# Altium PCB 采集主板V1.1_ZM_20210713.PcbDoc (part 1 of 2) (continued)
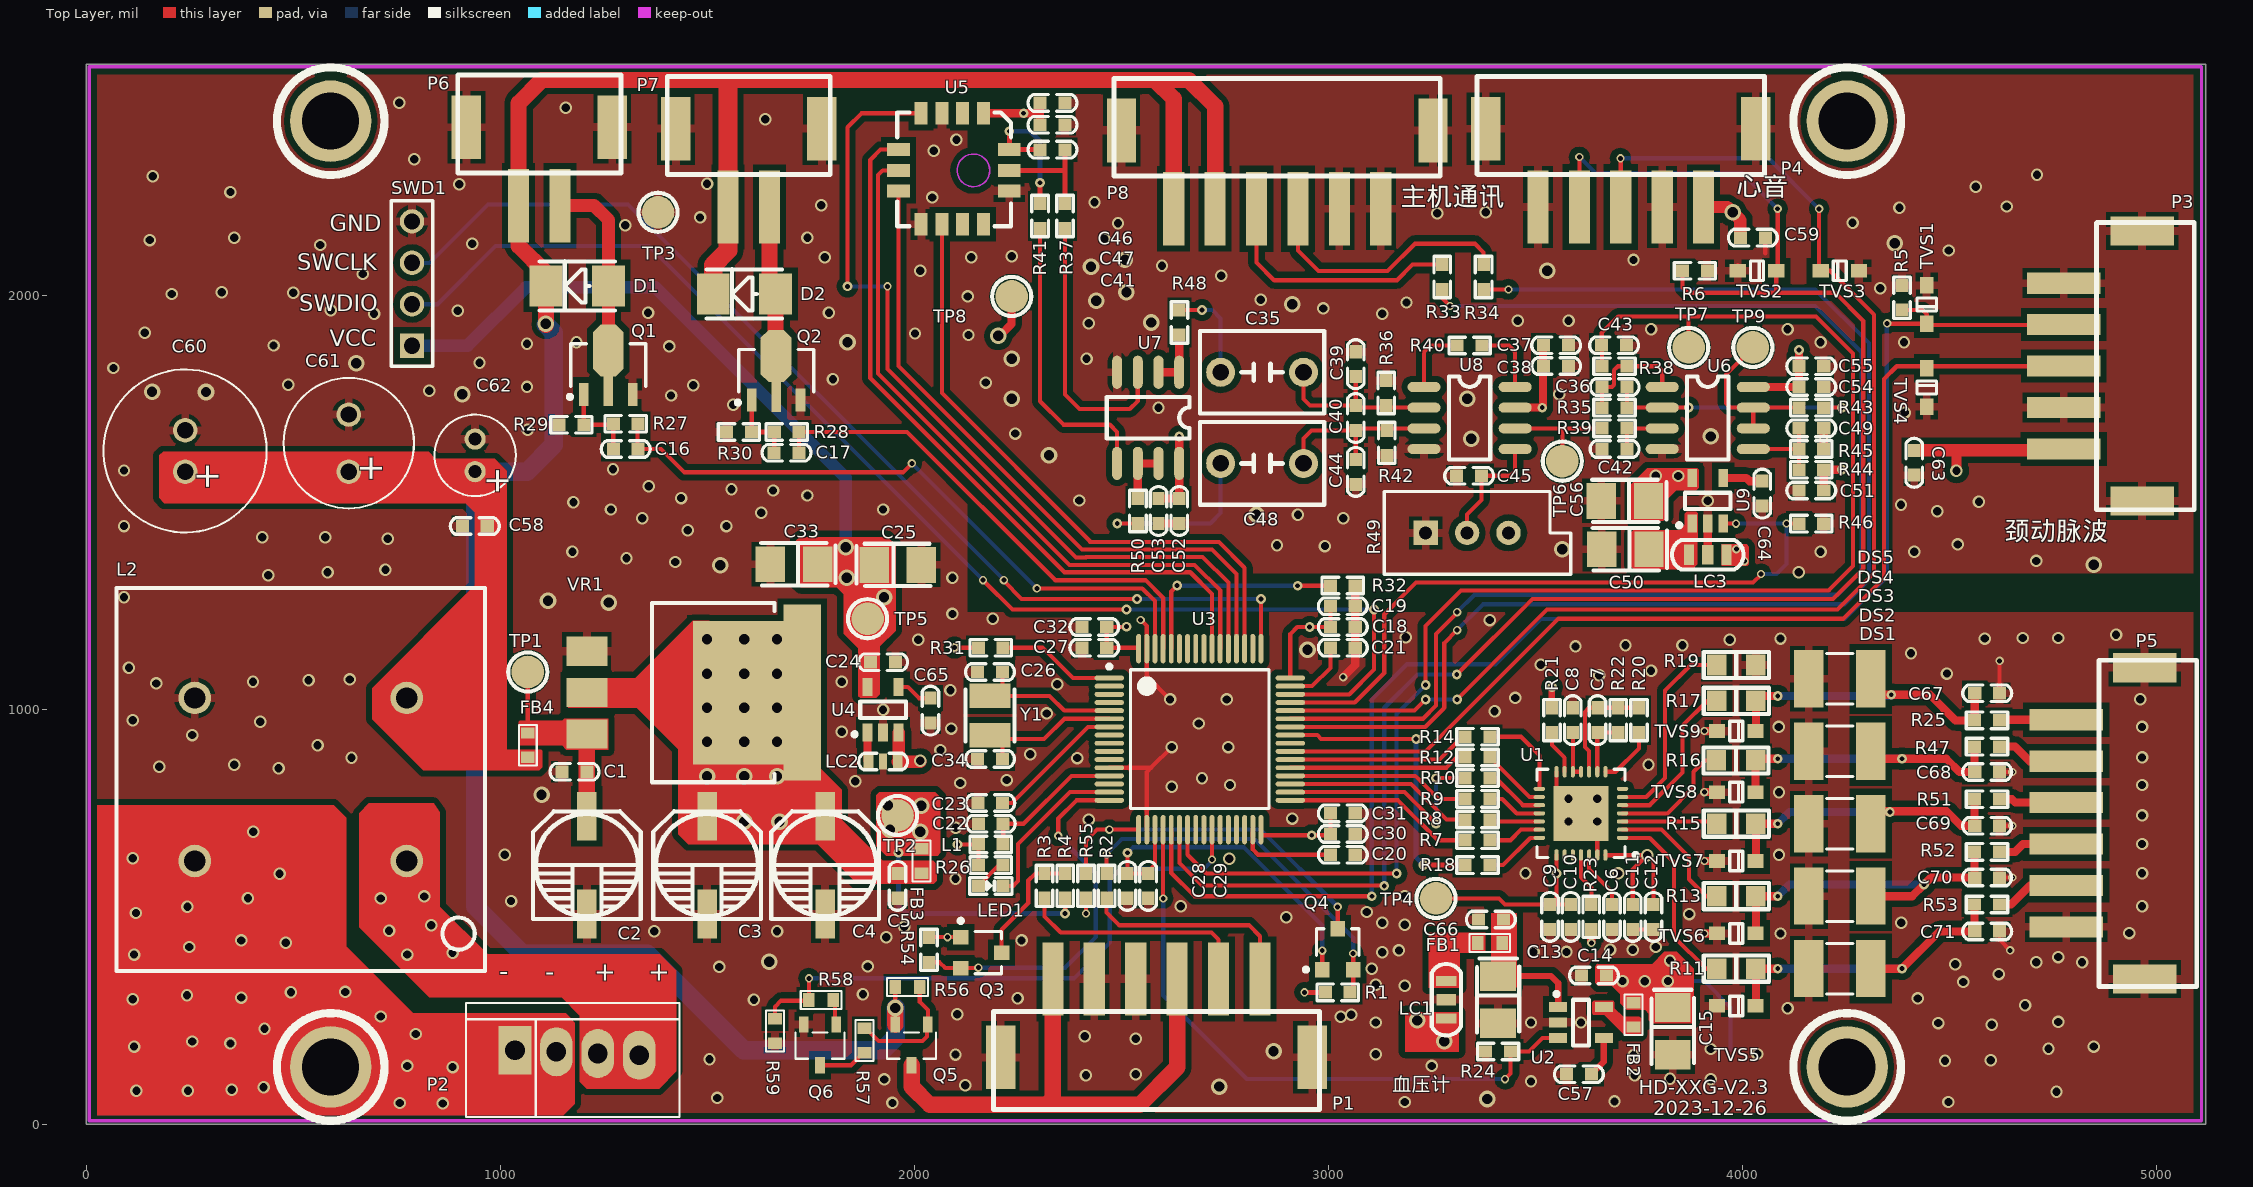
[diagram p0: Top Layer view]
## Components (designator, comment, footprint, x,y, rotation, side; value= is the part's Value field where it differs from the comment) (continued)
C57 "0.01uF/50V/X5R" SMD-0603C 3604.25,120 r0 top
C58 "0.1uF/50V/X5R" SMD-0603C 938.54,1443.57 r0 top
C59 "0.1uF/50V/X5R" SMD-0603C 4024.25,2140.07 r180 top
C60 "1000uF/25V" 10*16 239.25,1625 r270 top
C61 "470uF/25V" 8*12 634.25,1643.9 r270 top
C62 "33uF/25V" 5*7 939.25,1614.37 r270 top
C63 "0.1uF/50V/X5R" SMD-0603C 4413.71,1596.41 r90 top
C64 "NC" SMD-0603C 4047.04,1522.03 r90 top
C65 "NC" SMD-0603C 2038.69,998.03 r90 top
C66 "0.1uF/50V/X5R" SMD-0603C 3391.79,493.68 r180 top
C67 "22nF/50V/X5R" SMD-0603C 4590,1040 r180 top
C68 "22nF/50V/X5R" SMD-0603C 4590,850 r180 top
C69 "22nF/50V/X5R" SMD-0603C 4590,720 r180 top
C70 "22nF/50V/X5R" SMD-0603C 4590,595 r180 top
C71 "22nF/50V/X5R" SMD-0603C 4590,465 r180 top
D1 "1N4007" DO-214-AC 1185.8,2023.52 r180 top
D2 "1N4007" DO-214-AC 1589.25,2003.94 r180 top
DS1 "UN1812-90CSMD" SMD-1812 4234.25,375 r180 top
DS2 "UN1812-90CSMD" SMD-1812 4234.25,550 r180 top
DS3 "UN1812-90CSMD" SMD-1812 4234.25,725 r180 top
DS4 "UN1812-90CSMD" SMD-1812 4234.25,900 r180 top
DS5 "UN1812-90CSMD" SMD-1812 4234.25,1075 r180 top
FB1 "30R/5A" 0603r 3359.65,436.8 r0 top value=10mH
FB2 "30R/5A" 0603r 3736.07,234.11 r90 top value=10mH
FB3 "30R/5A" 0603r 2016.77,605.23 r90 top value=10mH
FB4 "30R/5A" 0603r 1066.4,885 r90 top value=10mH
L1 "MPZ1608D101BTA00" SMD-0603 2184.25,675 r180 top
L2 "LCM" LCM 774.25,635 r180 top
LC1 "NFM18PC104R1C3" NFM21P-0805 3284.25,300 r270 top
LC2 "NFM18PC104R1C3" NFM18P-0603 1924.25,875 r0 top
LC3 "NFM18PC104R1C3" NFM21P-0805 3915.35,1374.53 r0 top
LED1 "蓝" SMD-0603D 2184.25,575 r0 top
P1 "XH2.54 6P 立贴" XH-2.54-6P-LI 2584.25,350 r180 top
P2 "XH2.54-4P直插" 4X2.54MMZ 1035.61,178.12 r0 top
P3 "XH2.54 6P 立贴" XH-2.54-5P-LI 4775,1830 r270 top
P4 "XH2.54 5P 立贴" XH-2.54-5P-LI 3705.35,2214 r0 top
P5 "XH2.54 6P 立贴" XH-2.54-6P-LI 4781.02,725.98 r270 top
P6 "VH2.54-2P" XH-2.54-2P-LI 1094.24,2217.35 r0 top
P7 "VH2.54-2P" XH-2.54-2P-LI 1599.97,2214 r0 top
P8 "XH2.54 6P 立贴" XH-2.54-6P-LI 2875.88,2209.74 r0 top
Q1 "D882M" SOT-89-3 1260.7,1832.34 r0 top
Q2 "D882M" SOT-89-3 1666.11,1818.61 r0 top
Q3 "AO3400" SOT-23 2161.02,413.78 r270 top
Q4 "AO3400" SOT-23 3021.96,421.91 r0 top
Q5 "SI2347" SOT23-3 2032.38,240.29 r90 top
Q6 "S8050" SOT23-3 1811.46,240.25 r90 top
R1 "10K" SMD-0603 3021.96,317.76 r0 top
R2 "20R" SMD-0603 2464.06,575 r90 top
R3 "20R" SMD-0603 2314.06,575 r90 top
R4 "10K" SMD-0603 2364.06,575 r270 top
R5 "10K" SMD-0603 4384.25,1995 r270 top
R6 "10K" SMD-0603 3884.25,2060 r180 top
R7 "33R" SMD-0603 3359.25,685 r0 top
R8 "33R" SMD-0603 3359.25,735 r0 top
R9 "33R" SMD-0603 3359.25,785 r0 top
R10 "33R" SMD-0603 3359.25,835 r0 top
R11 "0R" SMD-0805 3984.25,375 r180 top
R12 "33R" SMD-0603 3359.25,885 r0 top
R13 "0R" SMD-0805 3984.25,550 r180 top
R14 "33R" SMD-0603 3359.25,935 r0 top
R15 "0R" SMD-0805 3984.25,725 r180 top
R16 "0R" SMD-0805 3983.46,877.95 r180 top
R17 "0R" SMD-0805 3984.25,1021.65 r180 top
R18 "33R" SMD-0603 3359.25,625 r0 top
R19 "0R" SMD-0805 3984.25,1108.27 r180 top
R20 "10K" SMD-0603 3749.25,975 r90 top
R21 "1M" SMD-0603 3539.25,975 r270 top
R22 "10M" SMD-0603 3699.25,975 r90 top
R23 "1M" SMD-0603 3634.25,500 r90 top
R24 "10K" SMD-0603 3409.25,175 r180 top
R25 "15K" SMD-0603 4589.55,974.56 r180 top
R26 "4.7K" SMD-0603 2184.25,625 r0 top
R27 "100R" SMD-0603 1302.87,1690.68 r0 top
R28 "100R" SMD-0603 1691.5,1670.73 r0 top
R29 "10K" SMD-0603 1171.65,1688.43 r180 top
R30 "10K" SMD-0603 1576.11,1670.73 r180 top
R31 "100K" SMD-0603 2184.25,1150 r0 top
R32 "10K" SMD-0603 3034.25,1300 r0 top
R33 "10R" SMD-0603 3274.25,2045 r270 top
R34 "10R" SMD-0603 3374.25,2045 r270 top
R35 "100K" SMD-0603 3690.35,1729.53 r180 top
R36 "4.7M" SMD-0603 3139.25,1765 r90 top
R37 "10K" SMD-0603 2363.37,2192.43 r90 top
R38 "1K" SMD-0603 3690.35,1829.53 r180 top
R39 "10K" SMD-0603 3690.35,1679.53 r0 top
R40 "1K" SMD-0603 3340.35,1879.53 r0 top
R41 "10K" SMD-0603 2303.37,2192.43 r90 top
R42 "4.7M" SMD-0603 3140.35,1644.53 r90 top
R43 "3.3K" SMD-0603 4165.35,1729.53 r0 top
R44 "10K" SMD-0603 4165.35,1579.53 r180 top
R45 "10K" SMD-0603 4165.35,1629.53 r180 top
R46 "10K" SMD-0603 4165.35,1449.53 r0 top
R47 "15K" SMD-0603 4589.55,911.05 r180 top
R48 "10K" SMD-0603 2639.76,1935 r270 top
R49 "20K" VR-05 3334.25,1427.17 r0 top
R50 "10K" SMD-0603 2539.37,1480 r90 top
R51 "15K" SMD-0603 4589.55,784.03 r180 top
R52 "15K" SMD-0603 4589.55,657.02 r180 top
R53 "15K" SMD-0603 4589.55,530.01 r180 top
R54 "10K" SMD-0603 2035.21,420.39 r90 top
R55 "10K" SMD-0603 2414.06,575 r90 top
R56 "100K" 0603R 2012.95,331.12 r180 top
R57 "1K" 0603R 1879.82,171.97 r90 top
R58 "1K" 0603R 1804.25,299.01 r180 top
R59 "10K" 0603R 1663.14,253.94 r270 top
SWD1 "SIP-4" SIP-4 786.92,2029.19 r90 top
TP1 "TP" TP 1066.4,1091.29 r0 top
TP2 "TP" TP 1959.25,745 r0 top
TP3 "TP" TP 1380.95,2201.09 r0 top
TP4 "TP" TP 3259.25,544.68 r0 top
TP5 "TP" TP 1886.85,1220 r270 top
TP6 "TP" TP 3564.25,1600.39 r0 top
TP7 "TP" TP 3869.25,1875 r0 top
TP8 "TP" TP 2234.72,1998.13 r0 top
TP9 "TP" TP 4024.25,1875 r90 top
TVS1 "TVS-S" SOD-323 4444.25,1978.54 r270 top
TVS2 "TVS-S" SOD-323 4034.25,2060 r0 top
TVS3 "TVS-S" SOD-323 4234.25,2060 r180 top
TVS4 "TVS-S" SOD-323 4444.25,1778.07 r90 top
TVS5 "TVS-S" SOD-323 3984.25,285 r0 top
TVS6 "TVS-S" SOD-323 3984.25,460 r0 top
TVS7 "TVS-S" SOD-323 3984.25,635 r0 top
TVS8 "TVS-S" SOD-323 3984.25,801.18 r0 top
TVS9 "TVS-S" SOD-323 3984.25,948.82 r0 top
U1 "ADS1293CISQ/NOPB" QFN-28 3609.25,750 r0 top
U2 "TPS73633DBVR" SOT23-5 3609.25,245 r0 top
U3 "STM32F405RGT6" LQFP64_N 2688.98,929.13 r0 top
U4 "LP5907MFX-3.3" SOT23-5 1924.25,1000 r90 top
U5 "MMR901XA" MMR901XA 2083.37,2302.43 r180 top
U6 "OPA2376AID" SOIC-8 3915.35,1704.53 r0 top
U7 "OPA2376AID" SOIC-8 2564.25,1705 r270 top
U8 "AD623AR" SOIC-8 3340.35,1704.53 r0 top
U9 "LP5907MFX-3.3" SOT23-5 3915.35,1504.53 r90 top
VR1 "LM1085S-5.0V" TO-263-3 1209.25,1041.78 r270 top
Y1 "8MHz" XTAL-3225-2 2182.3,986.29 r90 top

## Footprints (in the part's own frame and the unit in brackets; to place one, negate y for a bottom-side part, rotate by r counter-clockwise, add the part's x,y. Pads: shape width x height; smd on the part's side, far side on the other; paste and mask are expansions set on the pad)
4X2.54MMZ [mm] "接插件2.54-3P"
  rect 2x3 hole 1.2: 1(0,0)
  oval 2x3 hole 1.2: 2(2.54,-0.1) 3(5.08,-0.2) 4(7.62,-0.3)
  silkscreen extent -3,-4.1 10.08,2.9
5*7 [mm]
  round 1.3 hole 0.8: 1(1,0) 2(-1,0)
  silkscreen extent -2.5,-2.5 2.5,2.5
8*12 [mm]
  round 1.5 hole 1: 1(1.75,0) 2(-1.75,0)
  silkscreen extent -4,-4 4,4
10*16 [mm]
  round 1.5 hole 1: 1(1.27,0) 2(-1.27,0)
  silkscreen extent -5,-5 5,5
0603r [mm]
  rect 0.7x0.85 smd: 1(0,0) 2(1.5,0)
  silkscreen extent -0.5,-0.55 2,0.55
0603R [mm]
  rect 0.7x0.85 smd: 1(0,0) 2(1.5,0)
  silkscreen extent -0.5,-0.55 2,0.55
CAP-7.5*5.08 [mil]
  round 70 hole 40: 1(-100,0) 2(100,0)
  silkscreen extent -150,-100 150,100
DO-214-AC [mm] "Molded Diode, 2-Leads, Body 4.5x2.6mm, IPC Medium Density"
  rect 2x2.5 smd: 1(-1.915,0) 2(1.915,0)
  silkscreen extent -2.3,-1.52 2.3,1.5, body extent -2.3,-1.35 2.3,1.35, height 2.4
LCM [mm]
  round 2 hole 1.3: 1(0,0) 2(0,-10) 3(13,-10) 4(13,0)
  silkscreen extent -4.8,-16.75 17.8,6.75
LQFP64_N [mm] "Thin QFP, 64-Leads, Body 10x10mm, Pitch 0.5mm, IPC Medium Density"
  oval 1.8x0.3 smd: 1(-5.55,3.75) 2(-5.55,3.25) 3(-5.55,2.75) 4(-5.55,2.25) 5(-5.55,1.75) 6(-5.55,1.25) 7(-5.55,0.75) 8(-5.55,0.25) 9(-5.55,-0.25) 10(-5.55,-0.75) 11(-5.55,-1.25) 12(-5.55,-1.75) 13(-5.55,-2.25) 14(-5.55,-2.75) 15(-5.55,-3.25) 16(-5.55,-3.75) 33(5.55,-3.75) 34(5.55,-3.25) 35(5.55,-2.75) 36(5.55,-2.25) 37(5.55,-1.75) 38(5.55,-1.25) 39(5.55,-0.75) 40(5.55,-0.25) 41(5.55,0.25) 42(5.55,0.75) 43(5.55,1.25) 44(5.55,1.75) 45(5.55,2.25) 46(5.55,2.75) 47(5.55,3.25) 48(5.55,3.75)
  oval 0.3x1.8 smd: 17(-3.75,-5.55) 18(-3.25,-5.55) 19(-2.75,-5.55) 20(-2.25,-5.55) 21(-1.75,-5.55) 22(-1.25,-5.55) 23(-0.75,-5.55) 24(-0.25,-5.55) 25(0.25,-5.55) 26(0.75,-5.55) 27(1.25,-5.55) 28(1.75,-5.55) 29(2.25,-5.55) 30(2.75,-5.55) 31(3.25,-5.55) 32(3.75,-5.55) 49(3.75,5.55) 50(3.25,5.55) 51(2.75,5.55) 52(2.25,5.55) 53(1.75,5.55) 54(1.25,5.55) 55(0.75,5.55) 56(0.25,5.55) 57(-0.25,5.55) 58(-0.75,5.55) 59(-1.25,5.55) 60(-1.75,5.55) 61(-2.25,5.55) 62(-2.75,5.55) 63(-3.25,5.55) 64(-3.75,5.55)
  silkscreen extent -5.67,-4.25 4.25,4.57, body extent -5,-5 5,5, height 1.6
MMR901XA [mm] "传感器"
  rect 0.8x1.4 smd: 1(-2.105,-3.5) 2(-0.835,-3.5) 3(0.435,-3.5) 4(1.705,-3.5) 8(1.705,3.3) 9(0.435,3.3) 10(-0.835,3.3) 11(-2.105,3.3)
  rect 1.4x0.8 smd: 5(3.1,-1.27) 6(3.1,0) 7(3.1,1.27) 12(-3.7,1.27) 13(-3.7,0) 14(-3.7,-1.27)
  Keep-Out Layer circle w0.1: c-1.5,0 r1
  silkscreen extent -3.81,-3.56 3.18,3.43
NFM18P-0603 [mm] "三端滤波电容"
  rect 0.6x0.8 smd: 1(-0.9,0) 3(0.9,0)
  rect 0.5x1 smd: 2(0,0)
  silkscreen extent -1.5,-0.51 1.5,0.51
NFM21P-0805 [mm] "三端滤波电容"
  rect 0.6x1.27 smd: 1(-1.143,0) 3(1.143,0)
  rect 0.7x1.2 smd: 2(0,0)
  silkscreen extent -2.2,-0.9 2.2,0.9, body extent -1,-0.62 1,0.63, height 0.85
QFN-28 [mm]
  rect 3.38x3.38 smd: 0(0,0)
  oval 0.7x0.25 smd: 1(2.55,-1.5) 2(2.55,-1) 3(2.55,-0.5) 4(2.55,0) 5(2.55,0.5) 6(2.55,1) 7(2.55,1.5) 15(-2.55,1.5) 16(-2.55,1) 17(-2.55,0.5) 18(-2.55,0) 19(-2.55,-0.5) 20(-2.55,-1) 21(-2.55,-1.5)
  oval 0.25x0.7 smd: 8(1.5,2.55) 9(1,2.55) 10(0.5,2.55) 11(0,2.55) 12(-0.5,2.55) 13(-1,2.55) 14(-1.5,2.55) 22(-1.5,-2.55) 23(-1,-2.55) 24(-0.5,-2.55) 25(0,-2.55) 26(0.5,-2.55) 27(1,-2.55) 28(1.5,-2.55)
  silkscreen extent -2.7,-2.7 3.48,2.7, body extent -2.55,-2.55 2.55,2.55, height 1
SIP-4 [mm]
  rect 1.5x1.5 hole 1: 1(-3.81,0)
  round 1.5 hole 1: 2(-1.27,0) 3(1.27,0) 4(3.81,0)
  silkscreen extent -5.08,-1.27 5.08,1.27
SMD-6.3*7.7 [mm] "35V 100uF"
  rect 3x1.2 smd: 1(3,0) 2(-3,0)
  silkscreen extent -3.3,-3.3 3.3,3.3, body extent -3.37,-3.42 3.13,3.08, height 9.7
SMD-0603 [mil] "W1/32贴片电阻"
  rect 31.5x30 smd: 1(-30,0) 2(30,0)
  silkscreen extent -50,-20 50,20, body extent -31,-16 32,16, height 18
SMD-0603C [mil] "贴片电容"
  rect 31.5x30 smd: 1(-30,0) 2(30,0)
  silkscreen extent -59,-20 59,20, body extent -31,-16 32,16
SMD-0603D [mil] "贴片二极管"
  rect 31.5x30 smd: 1(-30,0) 2(30,0)
  silkscreen extent -51,-20 51,20, body extent -31,-16 32,16, height 26
SMD-0805 [mm] "贴片电阻"
  rect 1.2x1.27 smd: 1(-1.2,0) 2(1.2,0)
  silkscreen extent -2,-0.8 2,0.8, body extent -1,-0.63 1,0.63, height 0.55
SMD-1812 [mm] "贴片电阻"
  rect 1.8x3.5 smd: 1(-1.9,0) 2(1.9,0)
  silkscreen extent -0.8,-1.55 0.8,1.55, body extent -2.4,-1.7 2.4,1.7, height 1.4
SMD-3528-B [mm] "Molded Capacitor, 2-Leads, Body 3.5x2.2mm, IPC Medium Density"
  rect 1.8x2.2 smd: 1(-1.45,0) 2(1.45,0)
  silkscreen extent -2.54,-1.3 2.01,1.3, body extent -1.85,-1.46 1.85,1.47, height 2.03
SOD-323 [mm] "贴片二极管"
  rect 1x0.83 smd: 1(-1.18,0) 2(1.18,0)
  silkscreen extent -0.4,-0.6 0.4,0.6, body extent -1.4,-0.68 1.4,0.67, height 0.75
SOIC-8 [mil] "中体积贴片"
  oval 80x24 smd: 1(-110,75) 2(-110,25) 3(-110,-25) 4(-110,-75) 5(110,-75) 6(110,-25) 7(110,25) 8(110,75)
  silkscreen extent -50,-100 50,100, body extent -119,-99 119,99, height 63
SOT23-3 [mm]
  rect 1x0.6 smd: 1(0,0) 2(0,2) 3(-2.5,1)
  silkscreen extent -2.1,-0.5 -0.5,2.5
SOT23-5 [mm] "SOT23, 5-Leads, Body 3.1x2.6mm (max), Pitch 0.95mm, IPC Medium Density"
  rect 1.1x0.6 smd: 1(-1.4,0.95) 2(-1.4,0) 3(-1.4,-0.95) 4(1.4,-0.95) 5(1.4,0.95)
  silkscreen extent -1.62,-1.4 0.5,1.87, body extent -1.25,-1.5 1.25,1.5, height 1.1
SOT-23 [mm] "SOT-23; 3 Leads; Body 3.0 x 2.6 mm, inc. leads (LxW max)"
  rect 0.9x0.95 smd: 1(-0.95,-1.25) 2(0.95,-1.25) 3(0,1.25)
  silkscreen extent -2.07,-1.37 1.3,1.25
SOT-89-3 [mm] "三极管或MOS"
  rect 0.6x1.4 smd: 1(-1.5,-1.8) 3(1.5,-1.8)
  rect 0.6x2 smd: 2(0,-1.524)
  oct 1.9x3.2 smd: 2(0,0.9)
  silkscreen extent -2.47,-2.07 2.3,1.3, body extent -2.25,-2.1 2.25,2.2, height 1.51
TO-263-3 [mm]
  rect 1.8x2.5 smd: 1(-2.54,0) 2(0,0) 3(2.54,0)
  rect 10.8x2.3 smd: 2(0,13.208)
  rect 8.8x6 smd: 2(0,9.5)
  silkscreen extent -5.5,4 5.5,11.5
TP [mm] "Test Point"
  round 2 smd: 1(0,0)
  silkscreen extent -1.2,-1.2 1.2,1.2
VR-05 [mm] "立式精密变阻器"
  rect 1.5x1.5 hole 0.8: 1(-2.54,0)
  round 1.5 hole 0.8: 2(0,0) 3(2.54,0)
  silkscreen extent -5.08,-2.54 6.35,2.54
XH-2.54-2P-LI [mm] "接插件2.54-2P"
  rect 1.8x3.9 smd: 0(-4.47,4.8) 0(4.47,4.8)
  rect 1.3x4.5 smd: 1(-1.27,0) 2(1.27,0)
  silkscreen extent -5,2 5,8
XH-2.54-5P-LI [mm] "接插件2.54-3P"
  rect 1.8x3.9 smd: 0(-8.28,4.8) 0(8.28,4.8)
  rect 1.3x4.5 smd: 1(-5.08,0) 2(-2.54,0) 3(0,0) 4(2.54,0) 5(5.08,0)
  silkscreen extent -8.81,2 8.81,8, body extent -6.25,-0.89 6.25,8.01
XH-2.54-6P-LI [mm] "接插件2.54-6P"
  rect 1.8x3.9 smd: 0(-9.55,4.8) 0(9.55,4.8)
  rect 1.3x4.5 smd: 1(-6.35,0) 2(-3.81,0) 3(-1.27,0) 4(1.27,0) 5(3.81,0) 6(6.35,0)
  silkscreen extent -10,2 10,8, body extent -6.25,-0.89 6.25,8.01
XTAL-3225-2 [mm] "3225晶振两脚"
  rect 1.5x2.5 smd: 1(-1.2,0) 2(1.2,0)
  silkscreen extent -1.6,-1.5 1.6,1.5, body extent -1.6,-1.25 1.6,1.25, height 0.9

## Part data
C1 C5 C9 C11 C16 C17 C18 C19 C20 C21 C22 C23 C26 C27 C28 C29 C30 C31 C32 C34 C47 C52 C54 C58 C59 C63: library part CAP4, "贴片电容 20%"
C2 C3 C4 C60 C61 C62: library part CAP2, "电解电容"
C6 C8 C10 C12 C14 C41 C46 C51 C53 C55 C57 C64 C65 C66 C67 C68 C69 C70 C71: library part CAP4, "贴片电容 10%"
C7: library part CAP4, "贴片电容 5%"
C13 C15 C25 C33 C50 C56: library part CAP2, "钽电容"
C24: library part CAP4, "贴片电容"
C35 C48: library part CAP, "CBB电容"
C36 C38 C39 C40 C42 C43 C44 C45 C49: library part CAP, "贴片电容 5%"
C37: library part CAP, "贴片电容 20%"
D1 D2: library part DIODE2, "二极管 M7"
DS1 DS2 DS3 DS4 DS5: library part DISCHARE-1, "气体放电管 90V"
FB1 FB2 FB3 FB4: library part Inductor, "Inductor", Code_IEC=1005, Code_JEITA=0402, LatestRevisionDate=29-May-2009, LatestRevisionNote="IPC-7351 Footprint Added.", PackageDescription="Chip Inductor", PackageReference=0402-A, Published=8-Jun-2000, Publisher="Altium Limited"
L1: library part CIZHU1, "磁珠电感 100R 100MHz"
LC1 LC2 LC3: library part SMD-EMIFIL-0603, "LC滤波器"
LED1: library part LED0, "LED"
P1 P8: library part SIP-6, "血压计接口"
P2: library part SIP-4
P3: library part SIP-5, "颈动脉传感器接口"
P4: library part SIP-5, "心音传感器接口"
P5: library part SIP-6, "心电接口"
P6 P7: library part SIP-2, "2.54mm- 2P立贴"
Q1 Q2: library part NPN-TO252, "NPN TO252"
Q3 Q4: library part NPN-1, "NPN"
Q5: library part MOSFET-P, "P-Channel MOSFET", LatestRevisionDate=17-Jul-2002, LatestRevisionNote="Re-released for DXP Platform.", PackageReference=E3, PackageVersion=1995/1996, Published=8-Jun-2000, Publisher="Altium Limited"
Q6: library part NPN, "NPN Bipolar Transistor", Code_JEDEC=TO-226-AA, LatestRevisionDate=17-Jul-2002, LatestRevisionNote="Re-released for DXP Platform.", PackageReference=TO-226, Published=8-Jun-2000, Publisher="Altium Limited"
R1 R2 R3 R4 R5 R6 R54 R55: library part R, "贴片电阻 1%"
R7 R8 R9 R10 R11 R12 R13 R14 R15 R16 R17 R18 R19 R21 R23: library part RES0, "贴片电阻 5%"
R20 R22 R24 R25 R35 R36 R37 R38 R39 R40 R41 R42 R43 R46 R47 R48 R50 R51 R52 R53: library part RES0, "贴片电阻 1%"
R26: library part RES2, "贴片电阻"
R27 R28 R29 R30: library part RES-SOP, "贴片电阻 5%"
R31 R32 R33 R34: library part RES2, "贴片电阻 5%"
R44 R45: library part RES0, "贴片电阻 1% 低温票电阻"
R49: library part RES4, "可调电阻"
R56 R57 R58 R59: library part Res1, "Resistor", LatestRevisionDate=17-Jul-2002, LatestRevisionNote="Re-released for DXP Platform.", PackageReference=AXIAL-0.3, Published=8-Jun-2000, Publisher="Altium Limited"
TP1 TP3: library part TP-1, "测试点"
TP2: library part TP_POINT, "测试点"
TP4 TP5 TP6 TP7 TP8 TP9: library part TP_POINT
TVS1 TVS2 TVS3 TVS4 TVS5 TVS6 TVS7 TVS8 TVS9: "单向TVS"
U1: library part ADS1293, "ECG AFE"
U2 U4 U9: library part MCP1802, "LDO"
U3: library part STM32F405RG, "MCU"
U5: library part MMR901, "压力传感器"
U6: library part LM358, "运放"
U7: library part LM358, "高精度运放"
U8: library part Component_1, "仪表运放", Part Field 1=0, Part Field 2=0
VR1: library part LM1117, "三端稳压器"
Y1: library part XTAL, "晶振"

## Free pads (board coordinates)
  round 196.85 hole 137.8: 0(590.55,137.8) 0(590.55,2421.26) 0(4251.97,137.8) 0(4251.97,2421.26)

## Via types
v1: diameter 30, hole 20, Top Layer to Bottom Layer, tented both sides, 321 vias
v2: diameter 40, hole 25, Top Layer to Bottom Layer, tented both sides, 61 vias
v3: diameter 23.62, hole 11.81, Top Layer to Bottom Layer, tented both sides, 49 vias
v4: diameter 20, hole 12, Top Layer to Bottom Layer, tented both sides, 45 vias
v5: diameter 20, hole 12, Top Layer to Bottom Layer, 1 vias

## Nets (pads, with @x,y where several pads share a name; then routed paths per layer and width w, separated by ;. In a path a pad name is that pad's centre, name@x,y a point inside that pad or via, vN(x,y) a via of type N, cw(c..) or ccw(c..) an arc to the next point about the centre after c; other vN are vias at no path point)
ADS_ALA: R14.1 U3.38 | length 444.6
  Top Layer w10: U3.38@2907.48,879.92 3267.94,879.92 3323.02,935 R14.1@3329.25,935
ADS_CSB: R12.1 U3.37 | length 432.7
  Top Layer w10: U3.37@2907.48,860.24 3284.76,860.24 3310.35,885.83 3328.43,885.83 R12.1@3329.25,885
ADS_DRD: R7.1 U3.33 | length 461.7
  Top Layer w10: U3.33@2907.48,781.5 3167.76,781.5 3264.25,685 R7.1@3329.25,685
ADS_SCLK: R10.1 U3.34 | length 563.3
  Top Layer w10: U3.34@2907.48,801.18 3183.07,801.18 v3(3259.25,725) ; v3(3259.25,835) R10.1@3329.25,835
  Bottom Layer w10: v3(3259.25,725) v3(3259.25,835)
ADS_SDI: R9.1 U3.36 | length 444.8
  Top Layer w10: U3.36@2907.48,840.55 3209.25,840.55 3264.8,785 R9.1@3329.25,785
ADS_SDO: R8.1 U3.35 | length 457.3
  Top Layer w10: U3.35@2907.48,820.87 3198.82,820.87 3284.69,735 R8.1@3329.25,735
AV3.3: C37.2 C38.2 C46.2 C47.2 C51.2 C52.2 C53.2 C54.2 C55.2 C56.1 R44.1 R49.3 TP8.1 U5.1 U6.8 U7.8 U8.7 U9.5 | length 1005.2
  Top Layer w19.68: U5.1@2166.25,2440.23 v3(2263.69,2440.23) 2303.37,2440.23 ; v2@2208.27,1905 2234.72,1931.45 TP8.1@2234.72,1998.13 ; C47.2@2303.37,2412.43 2303.37,2440.23 ; C46.2@2303.37,2467.43 C46.2@2303.37,2465.39 2303.37,2440.23 ; C53.2@2589.25,1510 C52.2@2639.25,1510 U7.8@2639.25,1595 v3(2639.25,1660) ; U8.7@3450.35,1729.53 v3(3515.71,1729.53) 3517.24,1731.06 C37.2@3517.24,1880 ; U6.8@4025.35,1779.53 C54.2@4135.35,1779.53 C55.2@4135.35,1829.53 v3(4135.35,1868.58) ; C51.2@4195.35,1529.53 R44.1@4195.35,1579.53 v3@4238.78,1579.53
  other v1: 3789.81,1565 3843.95,1564.53
  other v2: 2202.16,1902.92
  other v3: 4239.25,1580
BP_POWER_EN: R58.2 R59.1 U3.26 | length 1422.5
  Top Layer w10: R59.1@1663.14,253.94 1663.14,282.92 1677.89,297.67 1743.85,297.67 R58.2@1745.19,299.01 v4(1745.19,351.74) v4@1745.65,352.2 ; v5(2718.36,638.68) 2718.43,638.75 2718.43,710.56 U3.26@2718.5,710.63
  Bottom Layer w10: v4(1745.19,351.74) 2385.62,351.74 2471.68,437.8 2471.68,589.57 2498.33,616.22 2699.52,616.22 v5@2718.36,635.07
ECG_CLK: R18.1 U3.41 | length 719.8
  Top Layer w10: U3.41@2907.48,938.98 2972.63,938.98 2981.95,929.66 v3(3211.34,929.66)
  Top Layer w11.81: v3(3229.25,625) R18.1@3329.25,625
  Bottom Layer w11.81: v3(3211.34,929.66) 3211.34,642.91 v3(3229.25,625)
EGND: C1.1 C2.2 C3.2 C4.2 C5.1 C6.1 C8.1 C9.1 C10.1 C11.1 C12.1 C13.2 C14.1 C15.2 C18.1 C19.1 C20.1 C21.1 C22.1 C23.2 C24.1 C25.2 C26.1 C27.1 C28.1 C29.1 C30.1 C31.1 C32.1 C33.2 C34.1 C37.1 C38.1 C39.2 C42.1 C43.2 C44.1 C45.1 C46.1 C47.1 C49.1 C50.2 C51.1 C52.1 C53.1 C54.1 C55.1 C56.2 C57.1 C58.1 C59.1 C60.2 C61.2 C62.2 C63.1 C64.1 C65.1 C66.2 C67.1 C68.1 C69.1 C70.1 C71.1 DS1.2 DS2.2 DS3.2 DS4.2 DS5.2 L2.3 LC1.2 LC2.2 LC3.2 P1.0 P1.4 P1.5 P3.0 P3.1 P3.4 P4.0 P4.1 P4.4 P5.0 P5.6 P6.0 P7.0 P8.0 P8.5 P8.6 Q1.3 Q2.3 Q6.2 R5.1 R6.1 R19.1 R24.2 R29.2 R30.2 R32.2 R36.2 R42.1 R45.1 R46.2 R49.1 R59.2 SWD1.4 TP3.1 TVS1.1 TVS2.1 TVS3.1 TVS4.1 TVS5.1 TVS6.1 TVS7.1 TVS8.1 TVS9.1 U1.0 U1.14 U1.27 U2.2 U3.12 U3.18 U3.63 U4.2 U5.3 U5.8 U5.12 U6.4 U7.4 U8.4 U9.2 VR1.1 | length 1634.6
  Top Layer w10: U3.12@2470.47,860.24 2571.56,860.24 ; v4(2546.33,1216.73) 2561.02,1202.04 U3.63@2561.02,1147.64 2561.02,1081.1 v1(2617.13,1025) ; U3.18@2561.02,710.63 2561.02,849.7 2571.56,860.24 ; v1(2621.36,910.04) 2571.56,860.24 ; U1.14@3550.2,850.39 3550.2,809.06 U1.0@3609.25,750 3648.62,710.63 U1.27@3648.62,649.61 ; C11.1@3734.25,470 C12.1@3784.25,470 ; TVS2.1@3987.8,2060 TVS2.1@3987.8,2073.62 ; 4054.25,2102.19 C59.1@4054.25,2140.07 ; C71.1@4620,465 4620,444.95 v4(4645.62,419.34) ; C70.1@4620,595 v4(4650.75,595) ; C69.1@4620,720 v4(4650.75,720) ; C68.1@4620,850 v4(4650.75,850) ; C67.1@4620,1040 v4(4620,1118.34)
  Top Layer w19.68: C53.1@2589.25,1450 C52.1@2626.03,1450 ; v4(3035.26,1078.89) 3064.25,1107.88 C21.1@3064.25,1150 C18.1@3064.25,1200 C19.1@3064.25,1250 R32.2@3064.25,1300 ; v4(3906.95,460) TVS6.1@3937.8,460 ; v4(3906.95,635) TVS7.1@3937.8,635 ; v4(3906.95,801.18) TVS8.1@3937.8,801.18 ; v4(3906.95,948.82) TVS9.1@3937.8,948.82 ; LC3.2@3915.35,1374.53 U9.2@3915.35,1449.41 ; R45.1@4195.35,1629.53 C49.1@4195.35,1679.53
  other v1: 1946.77,50.85 3183.94,53.09 4496.39,53.09 3690.15,54.47 1524.22,62.89 4757.31,77.94 2122.32,93.46 3488.59,102.79 1926.89,107.66 3922.58,108.37 3824.21,108.95 2414.06,117.89 3738.73,117.89 2534.25,120 3249.26,140.14 4488.11,152.49 4598.55,153.87 1505.26,156.41 3736.07,166.31 2099.17,167.56 3114.01,168.23 4035.29,169.05 3922.58,181.12 4737.99,181.48 4847.05,187 2534.25,205.64 2411.5,211.77 4601.31,239.46 4471.54,243.6 3114.01,245 3488.59,245 3609.25,244.99 4761.46,246.36 3029.22,259.14 3054.49,264.03 2103.21,265.02 4108.02,279.14 4681.46,287.01 1612.36,299.73 2249.04,303.42 4422.34,303.22 1875.62,312.94 3183.94,333.97 3114.01,336.28 4532.28,343 4617.77,362.02 3104.25,375 1528.51,379.2 1887.16,380.41 4512.74,385.45 4708.16,390.22 4819.12,390.22 4761.46,403.1 3129.67,414.8 3494.8,415.48 3574.25,415.48 3169.69,419.09 3679.49,420.44 3734.25,420.44 3789.81,427.29 2258.65,443.16 1931.6,451.03 4091.05,460 4933.26,460.96 1371.72,465.38 1668.31,465.38 1975.29,476.39 3183.94,480.76 3129.67,485.73 4382.25,485.73 2897.54,499.44 3870.35,506.89 3091.88,511.92 2643.26,525.97 4963.98,525.97 1026.07,538.27 3183.94,550 2099.03,592.06 3475.31,605.23 3699.25,605 4963.98,605.23 2760.36,640.14 1010.61,649.8 4087.34,649.61 4963.98,675.98 2100.02,715.03 3579.25,730.32 3648.62,730.32 2420.77,734.99 2912.18,737.43 4963.98,745 3579.25,785 3648.62,785 4087.34,801.18 2621.36,814.2 2761.93,818.42 4963.98,818.42 2110.46,823.39 1856.91,827.51 2222.88,830.42 2694.25,835 464.7,859.18 176.59,862.74 357.96,867.36 3772.34,867.36 640.77,884.08 2392.83,883.57 4963.98,885 2279.42,892.82 2062.65,902.99 2757.87,910.04 558.96,914.32 256.17,938.98 1824.76,946.74 2088.79,954.65 4086.63,958.66 4963.98,958.66 2686.76,966.9 420.24,971.23 112.41,975 2319.69,991.21 3400.63,996.63 1924.26,1000 2754.25,1025 4959.6,1025.45 3450.35,1028.7 2086.86,1047.39 2344.47,1061.56 169.48,1063.71 403.06,1067.83 1824.76,1067.83 537.2,1071.51 636.42,1073.35 3652.91,1082.99 4492.83,1087.5 3778.54,1094.04 103.46,1101.35 3512.07,1108.92 4406.04,1136.4 3596.01,1153.07 3716.7,1155.9 3854.25,1155.9 2008.86,1169.1 3968.47,1169.1 4091.05,1171.93 4583.9,1171.93 4675.66,1173.36 4761.46,1173.36 3185.97,1175.03 4901.25,1181.37 3389.25,1216.73 2189.25,1220 2091.73,1231.48 91.62,1272.09 2091.73,1319.15 439.81,1325.08 583.14,1332.43 4135.35,1332.43 722.79,1337.95 1422.8,1356.84 4708.16,1359.45 1304.82,1365.62 1174.3,1381.94 4187.8,1381.94 4413.71,1381.94 2991.01,1395.28 2875.4,1397.5 4518.76,1399.39 728.3,1413.29 425.11,1416.96 577.62,1416.96 1452.85,1433.38 91.62,1443.57 1546.11,1443.57 1342.47,1462.26 3035.26,1462.26 2925.88,1470.64 1629.88,1476.07 4469.7,1479.25 1267.17,1483.6 1924.25,1483.6 4381.84,1495.23 1176.65,1501.49 4570.1,1502.07 2397.73,1505.33 3915.36,1504.52 1436.6,1511.21 1741.58,1517.48 1658.74,1529.53 1558.34,1532.54 1358.79,1540.07 91.62,1577.8 1272.2,1580.5 2243.5,1666.88 1066.4,1676.05 4390.97,1717.71 2589.25,1729.53 1562.47,1736.21 1412.41,1758.88 3556.94,1762.21 828.5,1770.16 1064.56,1779.53 1465.61,1783.92 488.17,1784.95 2172.18,1790.03 1803.22,1798.19 66.1,1825.29 949.83,1838.22 2415.57,1847.76 1408.05,1877.31 452.66,1879.65 1064.56,1883.69 1184,1887.36 4187.8,1887.36 4389.11,1887.36 2130.44,1905 2001.31,1908.53 141.72,1910.36 3778.54,1918.52 4108.02,1918.52 2420.77,1933.23 3456.53,1939.06 3579.25,1939.06 695.33,1956.6 3129.67,1956.6 1356.78,1958.99 1793.6,1958.76 897.07,1963.2 590.55,1965 2986.78,1969.13 3187.96,1983.39 2836.29,1990 2128.93,1998.13 207.04,2003.94 500.01,2006.9 327.61,2008.03 4331.64,2017.78 2740.68,2048.28 667.89,2052.14 2014.25,2060 2597.77,2072.36 3736.07,2086.24 1783.7,2092.52 2137.36,2092.52 2234.72,2094.8 4497.08,2109.06 565.12,2122.32 932.08,2125.28 153.77,2134.16 2458.56,2137.3 357.96,2140.07 1741.58,2140.07 1301.49,2169.71 2491.42,2174.64 4264.95,2176.21 1482.41,2188.81 3262.29,2198.72 3379.37,2201.09 4378.08,2212.37 4637.42,2215.16 1774.66,2218.27 2434.67,2225.41 2043.14,2237.04 348.59,2250 4562.11,2263.08 900.87,2268.98 1499.25,2270 160.62,2288.44 4710.24,2291.59 791.99,2329.05 2046.68,2349.68 2101.38,2376.28 1639.65,2425.95 1158.29,2453.87 755.85,2465.39
  other v2: 3382.98,60.34 2735.85,90.37 2867.02,175.71 1649.85,391.47 1099.72,795.12 2949.02,1145.15 1262.24,1259 1115.27,1262.95 1531.37,1349.38 4847.05,1350 3564.25,1387.8 2825.88,1470.64 2324.85,1615 3344.32,1654.06 3922.58,1660 2234.72,1750.68 3334.78,1750.68 908.54,1761.48 289.56,1767.29 159.27,1768.22 652.51,1837.09 2234.72,1847.76 1838.37,1887.36 2571.56,1935.13 2912.18,1979.19 2439.36,1987.86 2511.81,2008.03 3527.52,2060.21 2426.33,2069.76 2508.23,2086.51 4367.15,2126.5
  other v4: 4195.35,1654.53
EVDD: C9.2 C10.2 C11.2 C12.2 C14.2 C15.1 FB2.2 R21.1 R23.1 TP4.1 U1.22 U1.28 | length 1158
  Top Layer w10: TP4.1@3259.25,544.68 3411.34,544.68 3426.02,530 C9.2@3534.25,530 ; U1.22@3550.2,649.61 v3(3550.2,605) 3550.2,530.94 3549.25,530 C10.2@3584.25,530 ; U1.28@3668.31,649.61 3669.01,648.9 v1(3768.94,648.9) ; C11.2@3734.25,530 3734.25,614.21 v1(3768.94,648.9) ; C12.2@3784.25,530 3784.25,635 3769.65,649.61 v1(3768.94,648.9)
  Top Layer w15.75: R21.1@3539.25,1005 v3(3539.25,1055.24)
  Top Layer w20: v4@3634.25,439.26 R23.1@3634.25,470
  Bottom Layer w10: v1(3819.25,345) 3907.04,345 3970.5,281.54 3970.5,178.98
  other v1: 3762.89,344.37 3709.65,345 3824.21,394.55
  other v4: 3634.33,437.56
GND_IN: L2.4 P2.1 P2.2 pad.0@590.55,137.8
  other v1: 860.87,49.64 757.04,50.78 121.54,80.44 245.9,80.44 352.01,82.73 428.45,88.43 884.83,137.49 775.23,140.14 115.83,187 348.59,194.54 256.17,199.1 795.84,217.36 430.73,229.91 711.41,259.57 112.41,301.32 374.83,305.21 243.62,310.92 494.63,317.76 625.84,318.9 115.83,409.04 249.32,427.29 482.08,437.56 374.83,443.16 120.4,509.44 244.76,524.27 390.8,544.81 467.24,604.14 112.41,641.79 403.35,705.68
MMR_CS: U3.55 U5.5 | length 1777.9
  Top Layer w10: U5.5@1961.33,2352.43 1918.37,2352.43 1893.37,2327.43 1893.37,1800.88 2362.13,1332.13 2665.91,1332.13 2718.78,1279.25 U3.55@2718.78,1147.64
MMR_DIN: U3.53 U5.4 | length 2068.5
  Top Layer w10: v3(1838.37,2022.43) 1838.37,2406.45 1872.15,2440.23 U5.4@2016.25,2440.23 ; v4(1935.12,2022.34) 1935.12,1823.03 2390.28,1367.87 2414.61,1367.87 ; 2414.61,1369.25 2695.71,1369.25 2757.87,1307.09 U3.53@2757.87,1147.64
  Bottom Layer w10: v3(1838.37,2022.43) 1935.03,2022.43 v4(1935.12,2022.34)
MMR_DO: U3.52 U5.7 | length 1627
  Top Layer w10: U5.7@1961.33,2252.43 1961.33,1830.05 2404.25,1387.13 2718.48,1387.13 2777.56,1328.05 U3.52@2777.56,1147.64
MMR_RD: U3.54 U5.6 | length 1716.5
  Top Layer w10: U5.6@1961.33,2302.43 1923.37,2302.43 1912.24,2291.3 1912.24,1812.01 2374.25,1350 2676.34,1350 2738.46,1287.87 U3.54@2738.46,1147.64
MMR_SCLK: U3.51 U5.9 | length 1509.8
  Top Layer w10: U5.9@2066.25,2172.51 2066.25,1764.92 2424.25,1406.92 2424.25,1405 2735.17,1405 2797.24,1342.93 U3.51@2797.24,1147.64
MOTOR: C17.2 R28.2 U3.61 | length 1217.9
  Top Layer w10: C17.2@1721.11,1620.73 1721.5,1620.73 R28.2@1721.5,1670.73 1982.27,1670.73 2340.01,1312.99 2557.68,1312.99 2600.67,1270 U3.61@2600.67,1147.64
NetC1_2: C1.2 C2.1 FB4.2 TP1.1 VR1.3 | length 345.9
  Top Layer w10: FB4.2@1066.4,944.06 TP1.1@1066.4,1091.29
  Top Layer w40: C2.1@1209.25,743.11 C1.2@1209.25,850.39 VR1.3@1209.25,941.78